# Altium PCB H7.PcbDoc (part 1 of 3)
Units mil, origin at the board's own origin, x right, y up, seen from the top; angles counter-clockwise.
Board outline 6496.06 x 3937.01 mil, 2 copper layers (Top Layer, Bottom Layer); 118 components, 150 nets, 635 pads, 5958 vias.
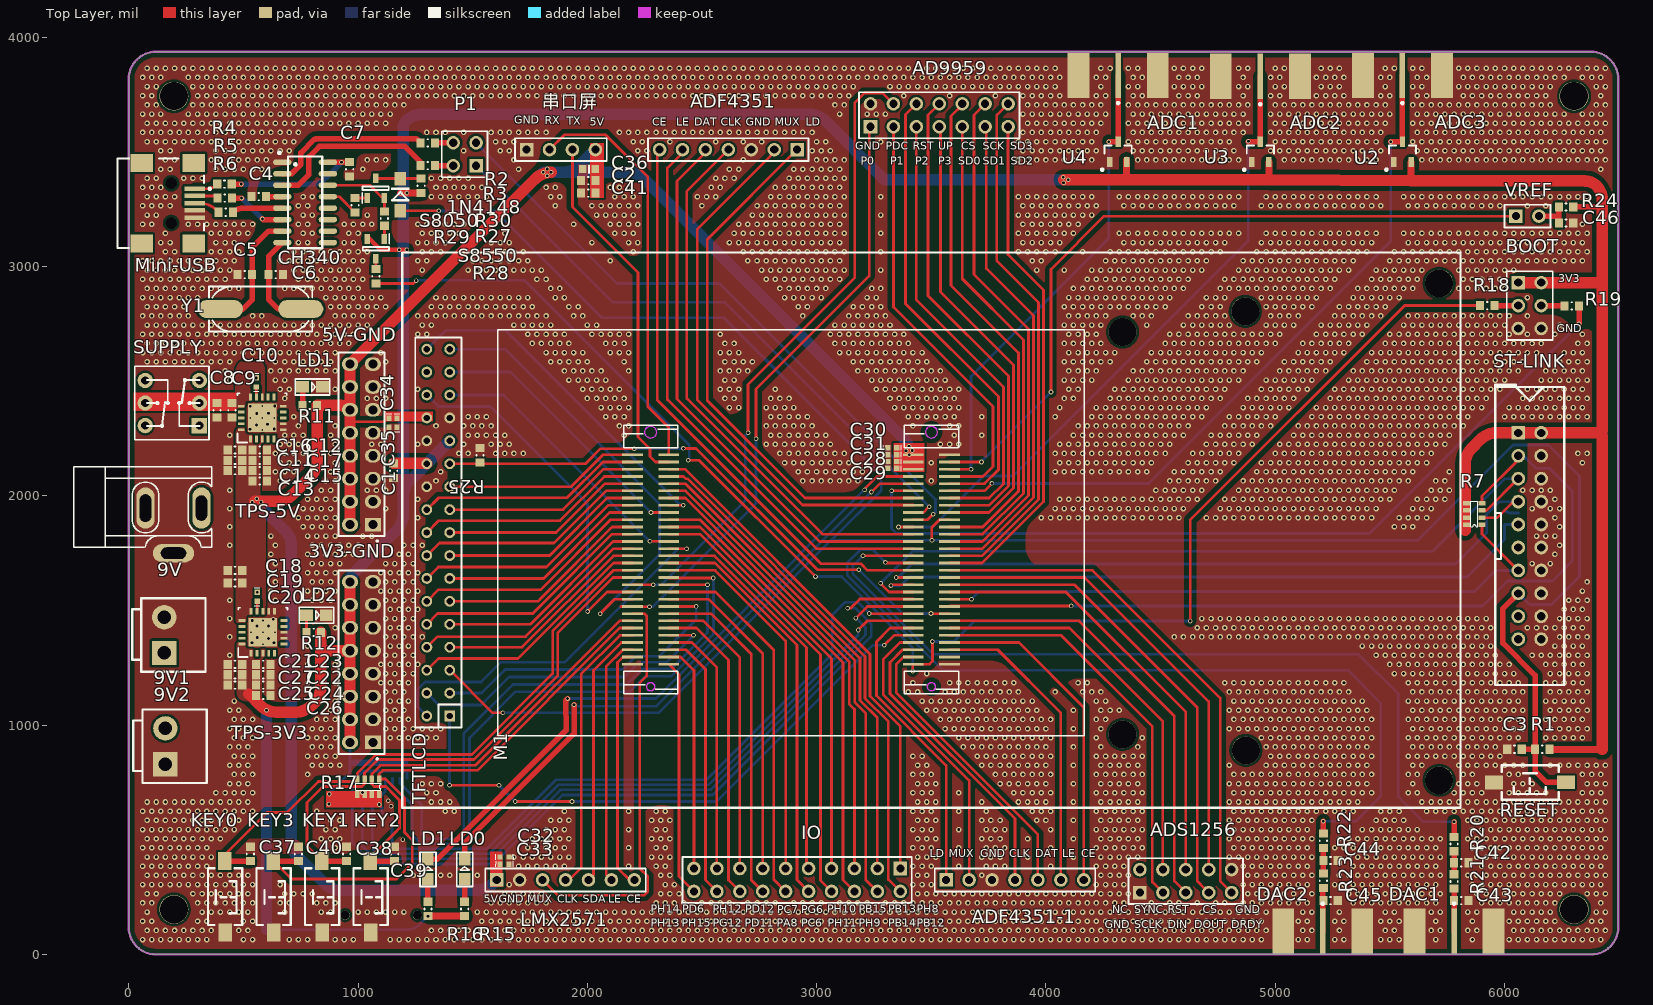
[diagram p0: Top Layer view]
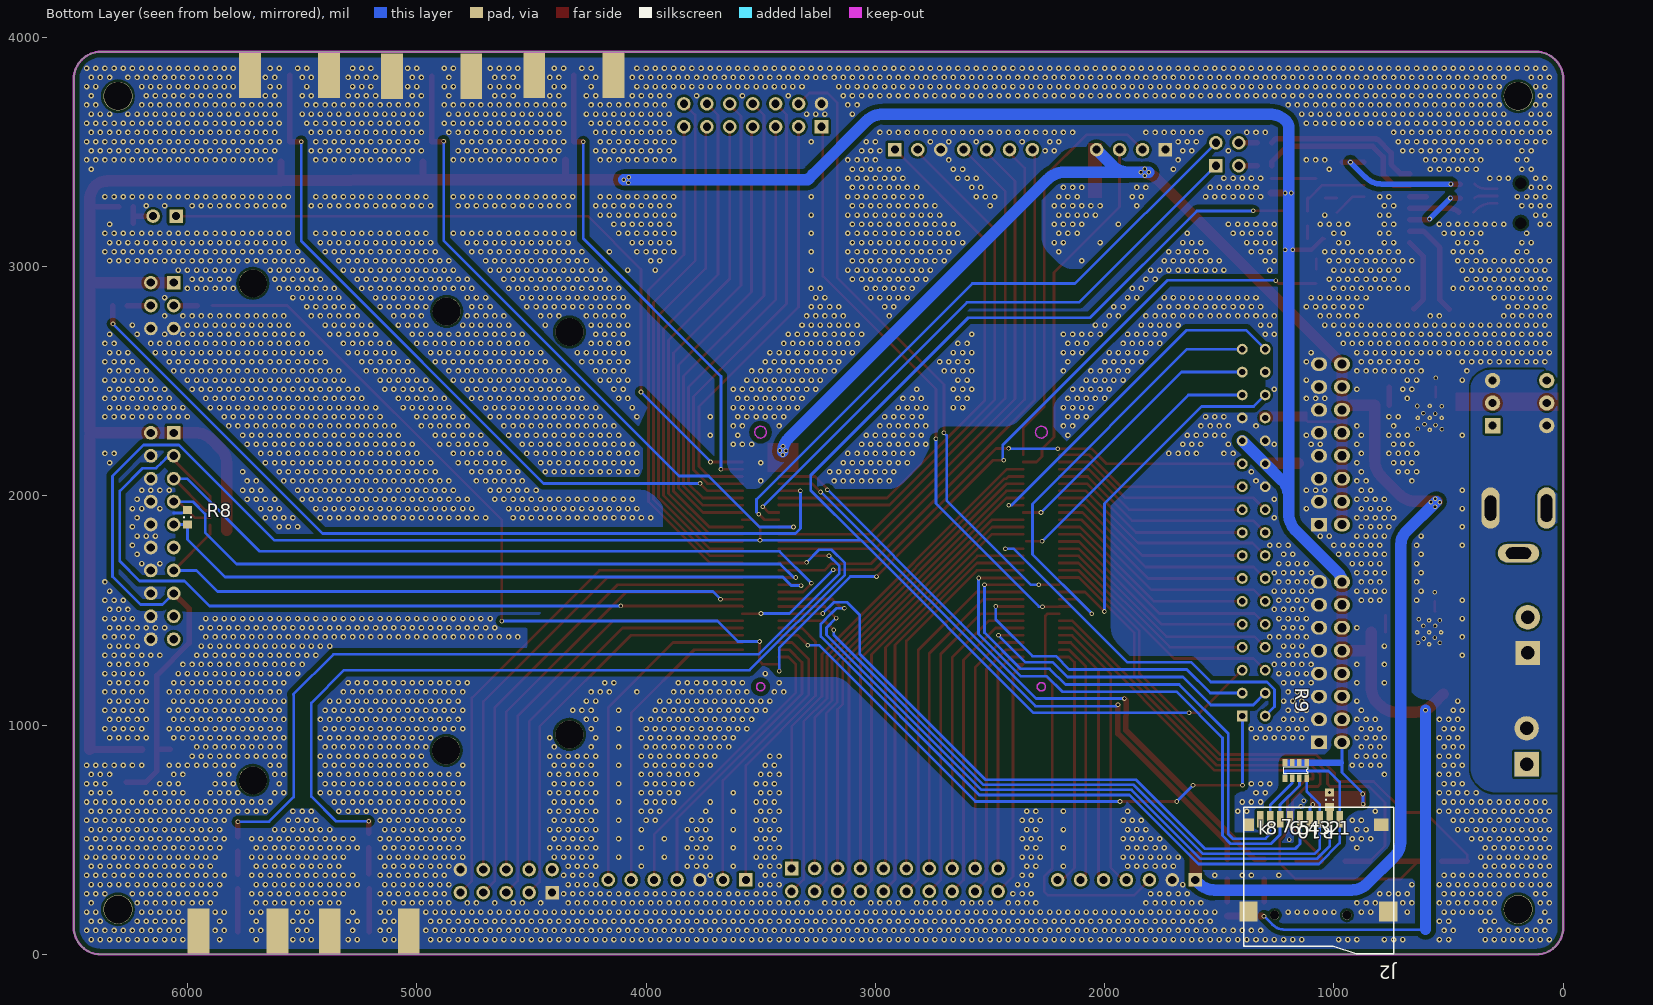
[diagram p1: Bottom Layer view, seen from below]

## Layer stack, top to bottom
Top Solder: solder mask 0.4, Solder Resist, Dk 3.5
Top Layer: signal copper 1.4
Dielectric 1: dielectric 12.6, FR-4, Dk 4.8
Bottom Layer: signal copper 1.4
Bottom Solder: solder mask 0.4, Solder Resist, Dk 3.5

## Board outline
0,118.11 0,3818.9 cw(c118.11,3818.9) 118.11,3937.01 6377.95,3937.01 cw(c6377.95,3818.9) 6496.06,3818.9 6496.06,118.11 cw(c6377.95,118.11) 6377.95,0 118.11,0 cw(c118.11,118.11)

## Design rules (kind name [scope] priority, off if disabled: settings)
Clearance [All] p1: gap=10 ignorepadtopadclearanceinfootprint=FALSE except(0: Arc-Text Arc-Hole Track-Text Track-Hole SMDPad-Text SMDPad-Hole THPad-Text THPad-Hole Via-Text Via-Hole Fill-Text Fill-Hole Poly-Text Poly-Hole Region-Text Region-Hole Text-Text Text-Hole; 20: Arc-Fill Arc-Poly Arc-Region Track-Fill Track-Poly Track-Region)
PlaneConnect [All] p1: planeconnectstyle=Direct reliefexpansion=20 reliefentries=4 reliefconductorwidth=10 reliefairgap=10
PolygonConnect [All] p1: connectstyle=Direct reliefconductorwidth=10 reliefentries=4 polygonreliefangle="90 Angle" airgapwidth=10
RoutingVias [All] p1: holewidth=28 width=50 viastyle="Through Hole" minholewidth=28 minwidth=50 maxholewidth=28 maxwidth=50
SilkToSolderMaskClearance [IsPad] p1: minsilkscreentomaskgap=0 clearancetoexposedcopper=TRUE
SolderMaskExpansion [All] p1: expansion=4
Width [All] p1: maxlimit=100 minlimit=10 preferedwidth=12
28 further rules are at their usual default settings.

## Components (designator, comment, footprint, x,y, rotation, side; value= is the part's Value field where it differs from the comment)
1N4148 "BAT60JFILM" DIODE_SOP 1184,3244 r90 top
3V3-GND "Header 8X2_Female" HDR_8x2_2R54_V_F 1065,925 r90 top
5V-GND "Header 8X2_Female" HDR_8x2_2R54_V_F 1065,1875 r90 top
9V "POWER" DC10B -102.05,1776.85 r0 top
9V1 "3.96" 3.96 155,1392.95 r90 top
9V2 "3.96" 3.96 160,907.95 r90 top
AD9959 "Header 7X2" HDR2X7 3235,3610 r0 top
ADC1 "SMA" SMA 4310,3739 r270 top locked
ADC2 "SMA" SMA 4930,3734 r270 top locked
ADC3 "SMA" SMA 5550,3739 r270 top locked
ADF4351 "Header 7" HDR1X7 2915,3510 r180 top
ADF4351-1 "Header 7" HDR1X7 3565,325 r0 top
ADS1256 "Header 5X2" HDR2X5 4410,270 r0 top
BOOT "Header 3X2" HDR2X3 6060,2930 r270 top
C1 "104" 0603C 1155,2110 r270 top
C2 "104" 0603C 2003.5,3375 r0 top
C3 "0.1uF" 0603C 6043.5,895 r0 top
C4 "Cap-S" 0603C 566.5,3305 r0 top value=100nF
C5 "Cap-S" 0603C 506.5,2965 r0 top value=22pF
C6 "Cap-S" 0603C 641.5,2965 r180 top value=22pF
C7 "Cap-S" 0603C 963,3424 r270 top value=100nF
C8 "10uf" 0603C 385,2373.5 r90 top
C9 "10uf" 0603C 450,2373.5 r90 top
C10 "1uf" 0402 556,2514.37 r270 top
C11 "10uf" 0603C 463.5,2155 r0 top
C12 "10uf" 0603C 571.5,2200 r180 top
C13 "10uf" 0603C 571.5,2065 r180 top
C14 "10uf" 0603C 463.5,2110 r0 top
C15 "10uf" 0603C 571.5,2110 r180 top
C16 "10uf" 0603C 463.5,2200 r0 top
C17 "10uf" 0603C 571.5,2155 r180 top
C18 "10uf" 0603C 463.5,1675 r0 top
C19 "10uf" 0603C 463.5,1620 r0 top
C20 "1uf" 0402 560,1579.37 r270 top
C21 "10uf" 0603C 463.5,1265 r0 top
C22 "10uf" 0603C 586.5,1220 r180 top
C23 "10uf" 0603C 586.5,1265 r180 top
C24 "10uf" 0603C 586.5,1175 r180 top
C25 "10uf" 0603C 463.5,1175 r0 top
C26 "10uf" 0603C 586.5,1130 r180 top
C27 "10uf" 0603C 463.5,1220 r0 top
C28 "0.1u" 0402 3310.63,2150 r0 top
C29 "0.1n" 0402 3310.63,2120 r0 top
C30 "0.1u" 0402 3310.63,2210 r0 top
C31 "0.1n" 0402 3310,2180 r0 top
C32 "0.1u" 0402 1658.37,425 r180 top
C33 "0.1n" 0402 1658.37,394 r180 top
C34 "0.1u" 0402 1135,2300 r90 top
C35 "0.1n" 0402 1170,2300 r90 top
C36 "Cap-S" C0603-L 2007.44,3425 r0 top value=100nF
C37 "100nF" 0603C 530,438.5 r90 top
C38 "100nF" 0603C 950,438.5 r90 top
C39 "100nF" 0603C 1160,438.5 r90 top
C40 "100nF" 0603C 740,438.5 r90 top
C41 "Cap-S" 0603C 2003.5,3320 r0 top value=10uF
C42 "SELE" 0603C 5811.5,400 r180 top
C43 "SELE" 0603C 5811.5,235 r180 top
C44 "SELE" 0603C 5241.5,410 r180 top
C45 "SELE" 0603C 5241.5,235 r180 top
C46 "0.1uF" 0603C 6268.5,3190 r180 top
CH340 "CH340G" SOP-16 770,3288.91 r0 top
DAC1 "SMA" SMA 5785,196 r90 top
DAC2 "SMA" SMA 5212.5,196 r90 top
IO "Header 10X2" HDR2X10 3365,375 r180 top (schematic designator IO1)
J2 "TF_Card" "Micro SD" 1101.06,171.61 r0 bottom locked
KEY0 "3x6x5" "TSW SMD-3*6*2.5" 420,250 r270 top
KEY1 "3x6x5" "TSW SMD-3*6*2.5" 843.33,250 r270 top (schematic designator KEY2)
KEY2 "3x6x5" "TSW SMD-3*6*2.5" 1055,250 r270 top (schematic designator KEY3)
KEY3 "3x6x5" "TSW SMD-3*6*2.5" 631.67,250 r270 top (schematic designator KEY4)
LD0 "LED" SMDLED 1464.94,327.96 r90 top (schematic designator LD3)
LD1 "LED" SMDLED 1304.94,327.96 r90 top (schematic designator LD4)
LD1 "LED" SMDLED 757.96,2475.06 r0 top
LD2 "LED" SMDLED 775,1480 r0 top
LMX2571 "Header 7" HDR1X7 1605,325 r0 top
M1 "STM32F4&F7_CB" "STM32F4&F7_CB - duplicate" 3579.39,2179.45 r180 top locked
Mini-USB "USB-B(Mini)" USB/SM0.8-6H5 -21.69,3276.61 r180 top
P1 "Header 2X2" HDR2X2 1515,3440 r90 top
R1 "10k" 0603R 6165,895 r0 top
R2 "R" 0603R 1303.5,3540 r0 top value=22
R3 "R" 0603R 1303.5,3440 r0 top value=22
R4 "R" 0603R 417.5,3360 r0 top value=10
R5 "R" 0603R 418.5,3299 r0 top value=22
R6 "R" 0603R 423.5,3237 r0 top value=22
R7 "R" R0603X4 5902,1873.5 r180 top value=10K
R8 "R" 0603R 6000,1906.5 r90 bottom value=10K
R9 "R" R0603X4 1119.01,835.93 r270 bottom value=10K
R10 "R" 0603R 1019,674.5 r270 bottom value=10K
R11 "1k" 0603R 790,2395 r180 top
R12 "1k" 0603R 806.5,1405 r180 top
R15 "510" 0603R 1465,198.5 r270 top
R16 "510" 0603R 1305,198.5 r270 top
R17 "R" R0603X4 1091.5,765 r270 top value=10K
R18 "10k" 0603R 5925,2830 r180 top
R19 "10k" 0603R 6293.5,2829 r180 top
R20 "SELE" 0603R 5780,481.5 r270 top
R21 "SELE" 0603R 5780,318.5 r270 top
R22 "SELE" 0603R 5210,496.5 r270 top
R23 "SELE" 0603R 5210,321.5 r270 top
R24 "10R" 0603R 6268.5,3260 r0 top
R25 "4.7K" 0603R 1532,2177.5 r270 top
R27 "1k" 0603R 1115,3209.5 r90 top
R28 "1K" 0603R 1078,2957.5 r270 top
R29 "1k" 0603R 987,3267.5 r90 top
R30 "10k" 0603R 1275,3352.5 r270 top
RESET "3x6x5" "TSW SMD-3*6*2.5" 6110,750 r180 top
S8050 "S8050" SOT95P240X115-3N 1077,3342 r90 top
S8550 "S8550" SOT95P240X115-3N 1077.4,3077.69 r270 top
ST-LINK "DC-20P" DC-20P 6105,1820 r270 top
SUPPLY "KET 8X8" "KFT DIP-8X8" 190,2405 r90 top
TFTLCD "TFT_LCD" db2*17-4.3 1400.24,1040.08 r90 top locked
TPS-3V3 "TPS7A4701QRGWRQ1" RGW0020A 585,1405 r90 top value=Value
TPS-5V "TPS7A4701QRGWRQ1" RGW0020A 582.17,2340 r90 top value=Value
U2 "BAT54S" SOT-23-3 5555.41,3500.92 r90 top locked
U3 "BAT54S" SOT-23-3 4935.41,3500.92 r90 top locked
U4 "BAT54S" SOT-23-3 4315.41,3500.92 r90 top locked
VREF "Header 2" HDR1X2 6050,3220 r0 top
Y1 "XTAL" XTAL-PB2-SMD 575,2815 r180 top value=12M
串口屏 "Header 4" HDR1X4 1735,3510 r0 top

## Footprints (in the part's own frame and the unit in brackets; to place one, negate y for a bottom-side part, rotate by r counter-clockwise, add the part's x,y. Pads: shape width x height; smd on the part's side, far side on the other; paste and mask are expansions set on the pad)
3.96 [mm] "接插件，25V/5A"
  rect 2.7x2.7 hole 1.5: 1(-1.98,0)
  round 2.7 hole 1.5: 2(1.982,0)
  silkscreen extent -4.06,-4.57 4.07,3.56, body extent -3.98,-4.4 4.03,4.16, height 10.5
0402 [mm]
  rect 0.6x0.6 smd: 1(0,0) 2(1,0)
  silkscreen extent -0.5,-0.3 1.5,0.3
0603C [mm] "Chip Capacitor, Body 1.6x0.8mm, Height 1.0mm, IPC Medium Density"
  rect 0.9x1 smd: 1(-0.8,0) 2(0.8,0)
  silkscreen extent -0.05,-0.4 0.05,0.4, body extent -0.87,-0.48 0.88,0.47, height 1
0603R [mm] "Chip Resistor, Body 1.6x0.8mm, IPC Medium Density"
  rect 0.9x1 smd: 1(-0.8,0) 2(0.8,0)
  silkscreen extent -0.05,-0.4 0.05,0.4, body extent -0.85,-0.47 0.85,0.47, height 0.6
C0603-L [mm] "贴片电容0603 高密度"
  rect 0.8x0.9 smd: 1(-0.7,0) 2(0.7,0)
  silkscreen extent 0,-0.39 0,0.41, body extent -0.8,-0.4 0.8,0.41, height 0.88
db2*17-4.3 [mm]
  rect 1.2x1.2 hole 0.7: 1(-0.002,0.006)
  round 1.2 hole 0.7: 2(-0.002,2.546) 3(2.538,0.006) 4(2.538,2.546) 5(5.08,0) 6(5.078,2.546) 7(7.62,0) 8(7.62,2.54) 9(10.158,0.006) 10(10.158,2.546) 11(12.698,0.006) 12(12.698,2.546) 13(15.238,0.006) 14(15.238,2.546) 15(17.778,0.006) 16(17.778,2.546) 17(20.318,0.006) 18(20.318,2.546) 19(22.858,0.006) 20(22.858,2.546) 21(25.398,0.006) 22(25.398,2.546) 23(27.938,0.006) 24(27.938,2.546) 25(30.478,0.006) 26(30.478,2.546) 27(33.018,0.006) 28(33.018,2.546) 29(35.558,0.006) 30(35.558,2.546) 31(38.098,0.006) 32(38.098,2.546) 33(40.638,0.006) 34(40.638,2.546)
  round 3.1 hole 3.1: ""(-7.125,-109.596) ""(-3.81,-88.18) ""(-2.037,-74.525) ""(42.54,-74.525) ""(44.82,-88.12) ""(47.925,-109.596)
  silkscreen extent -10.16,-111.96 51.33,5.26
DC10B [mil]
  oval 80x180 hole 50 slot 110 at 90 deg: 1(419.09,170)
  oval 80x180 hole 50 slot 120 at 90 deg: 2(175,170)
  oval 180x80 hole 50 slot 110 at 0 deg: 3(297.05,-26.85)
  silkscreen extent -138,0 465,350
DC-20P [mil]
  rect 60x60 hole 35.43: 1(-455,-45)
  round 60 hole 35.43: 2(-355,-45) 3(-255,-45) 4(-155,-45) 5(-55,-45) 6(45,-45) 7(145,-45) 8(245,-45) 9(345,-45) 10(445,-45) 11(445,55) 12(345,55) 13(245,55) 14(145,55) 15(45,55) 16(-55,55) 17(-155,55) 18(-255,55) 19(-355,55) 20(-455,55)
  silkscreen extent -665,-145 645,155, body extent -655,-146 645,156, height 236
DIODE_SOP [mm]
  rect 1.5x1.3 smd: 1(0,0) 2(3.556,0)
  silkscreen extent 1.14,-1.02 2.56,1.02
HDR1X2 [mm] "Connector; Header; 2 Position"
  rect 1.5x1.5 hole 0.9: 1(0,0)
  round 1.5 hole 0.9: 2(2.54,0)
  silkscreen extent -1.27,-1.27 3.81,1.27
HDR1X4 [mm] "Connector; Header; 4 Position"
  rect 1.5x1.5 hole 0.9: 1(0,0)
  round 1.5 hole 0.9: 2(2.54,0) 3(5.08,0) 4(7.62,0)
  silkscreen extent -1.27,-1.27 8.89,1.27
HDR1X7 [mm] "Connector; Header; 7 Position"
  rect 1.5x1.5 hole 0.9: 1(0,0)
  round 1.5 hole 0.9: 2(2.54,0) 3(5.08,0) 4(7.62,0) 5(10.16,0) 6(12.7,0) 7(15.24,0)
  silkscreen extent -1.27,-1.27 16.51,1.27
HDR2X2 [mm]
  rect 1.5x1.5 hole 0.9: 1(0,0)
  round 1.5 hole 0.9: 2(0,2.54) 3(2.54,0) 4(2.54,2.54)
  silkscreen extent -1.27,-1.27 3.81,3.81
HDR2X3 [mm] "Connector; Header; 3x2 Position"
  rect 1.5x1.5 hole 0.9: 1(0,0)
  round 1.5 hole 0.9: 2(0,2.54) 3(2.54,0) 4(2.54,2.54) 5(5.08,0) 6(5.08,2.54)
  silkscreen extent -1.27,-1.27 6.35,3.81
HDR2X5 [mm] "Connector; Header; 5x2 Position"
  rect 1.5x1.5 hole 0.9: 1(0,0)
  round 1.5 hole 0.9: 2(0,2.54) 3(2.54,0) 4(2.54,2.54) 5(5.08,0) 6(5.08,2.54) 7(7.62,0) 8(7.62,2.54) 9(10.16,0) 10(10.16,2.54)
  silkscreen extent -1.27,-1.27 11.43,3.81
HDR2X7 [mm] "Connector; Header; 7x2 Position"
  rect 1.5x1.5 hole 0.9: 1(0,0)
  round 1.5 hole 0.9: 2(0,2.54) 3(2.54,0) 4(2.54,2.54) 5(5.08,0) 6(5.08,2.54) 7(7.62,0) 8(7.62,2.54) 9(10.16,0) 10(10.16,2.54) 11(12.7,0) 12(12.7,2.54) 13(15.24,0) 14(15.24,2.54)
  silkscreen extent -1.27,-1.27 16.51,3.81
HDR2X10 [mm] "Connector; Header; 10x2 Position"
  rect 1.5x1.5 hole 0.9: 1(0,0)
  round 1.5 hole 0.9: 2(0,2.54) 3(2.54,0) 4(2.54,2.54) 5(5.08,0) 6(5.08,2.54) 7(7.62,0) 8(7.62,2.54) 9(10.16,0) 10(10.16,2.54) 11(12.7,0) 12(12.7,2.54) 13(15.24,0) 14(15.24,2.54) 15(17.78,0) 16(17.78,2.54) 17(20.32,0) 18(20.32,2.54) 19(22.86,0) 20(22.86,2.54)
  silkscreen extent -1.27,-1.27 24.13,3.81
HDR_8x2_2R54_V_F [mm] "Female Header, Pitch 2.54mm, 2x8 Position, Mated Height 6mm, Tail Length 3mm"
  rect 1.5x1.8 hole 1.02: 1(0,0)
  oval 1.5x1.8 hole 1.02: 2(0,2.54) 3(2.54,0) 4(2.54,2.54) 5(5.08,0) 6(5.08,2.54) 7(7.62,0) 8(7.62,2.54) 9(10.16,0) 10(10.16,2.54) 11(12.7,0) 12(12.7,2.54) 13(15.24,0) 14(15.24,2.54) 15(17.78,0) 16(17.78,2.54)
  silkscreen extent -1.89,-1.27 19.05,3.81, body extent -1.27,-1.27 19.05,3.81, height 8.64
"KFT DIP-8X8" [mm] "自锁开关，规格：8*8mm"
  rect 1.7x1.7 hole 0.9: 1(-2.5,-3)
  round 1.7 hole 0.9: 2(0,-3) 3(2.5,-3) 4(2.5,3) 5(0,3) 6(-2.5,3)
  silkscreen extent -4.06,-4.06 4.06,4.15, body extent -3.95,-3.95 4.05,4.05, height 13.1
"Micro SD" [mm]
  round 1 hole 1 unplated: 0(-4,0) 0(4,0)
  rect 0.7x1.8 smd: 1(-3.2,-10.627) 2(-2.1,-10.627) 3(-1,-10.627) 4(0.1,-10.627) 5(1.2,-10.627) 6(2.3,-10.627) 7(3.4,-10.627) 8(4.5,-10.627) 9(5.6,-10.627)
  rect 2.032x2.2 smd: 10(-8.6,-0.4) 10(6.9,-0.4)
  rect 1.6x1.4 smd: 10(-7.8,-10)
  rect 1.2x1.4 smd: 10(6.9,-10)
  silkscreen extent -9.2,-11.94 7.4,4.28, body extent -8.95,-11.25 7.05,4, height 2
R0603X4 [mm] "排阻 4 0603"
  rect 0.8x0.5 smd: 1(0,0) 2(0,-0.8) 3(0,-1.6) 4(0,-2.4) 5(1.7,-2.4) 6(1.7,-1.6) 7(1.7,-0.8) 8(1.7,0)
  silkscreen extent 0.46,-2.6 1.23,0.2, body extent 0.13,-2.79 1.52,0.38, height 0.8
RGW0020A [mm]
  rect 0.75x0.31 smd paste+0 mask+0: 1(-2.325,1.3) 2(-2.325,0.65) 3(-2.325,0) 4(-2.325,-0.65) 5(-2.325,-1.3) 11(2.325,-1.3) 12(2.325,-0.65) 13(2.325,0) 14(2.325,0.65) 15(2.325,1.3)
  rect 0.31x0.75 smd paste+0 mask+0: 6(-1.3,-2.325) 7(-0.65,-2.325) 8(0,-2.325) 9(0.65,-2.325) 10(1.3,-2.325) 16(1.3,2.325) 17(0.65,2.325) 18(0,2.325) 19(-0.65,2.325) 20(-1.3,2.325)
  round 0.5 hole 0.203 mask+0: 21(-1.325,0) 21(0,1.325) 21(0,0) 21(0,-1.325) 21(1.325,0)
  rect 3.15x3.15 smd paste-1.562 mask+0: 21(0,0)
  silkscreen extent -2.73,-2.73 2.73,2.73, body extent 0,0 0.25,0.25, height 0.25
SMA [mil]
  rect 200x24 smd: 1(-96,5)
  rect 200x95 smd: 2(-96,177.5) 2(-96,-167.5)
  rect 200x95 smd far side: 2(-96,177.5) 2(-96,177.5) 2(-96,-167.5)
  silkscreen extent 21,0 31,10, body extent -571,-183 -9,192, height 171
SMDLED [mm]
  rect 1.4x1.27 smd: 1(0.001,-0.002) 2(2.211,-0.002)
  silkscreen extent -0.8,-0.89 3.01,0.89
SOP-16 [mil]
  oval 80x24 smd: 1(-100,166.09) 2(-100,116.09) 3(-100,66.09) 4(-100,16.09) 5(-100,-33.91) 6(-100,-83.91) 7(-100,-133.91) 8(-100,-183.91) 9(98.5,-183.91) 10(98.5,-133.91) 11(98.5,-83.91) 12(98.5,-33.91) 13(98.5,16.09) 14(98.5,66.09) 15(98.5,116.09) 16(98.5,166.09)
  silkscreen extent -118,-209 74,212, body extent -117,-202 111,184, height 69
SOT95P240X115-3N [mm]
  rect 1.1x0.6 smd: 1(-1.1,0.95) 2(-1.1,-0.95) 3(1.1,0)
  silkscreen extent -1.65,-1.45 0.2,1.5, body extent -1.2,-1.45 1.2,1.45, height 1.15
SOT-23-3 [mm]
  rect 1.15x0.6 smd: 1(-1.13,0.96) 2(1.12,0.01) 3(-1.13,-0.94)
  silkscreen extent -2.11,-1.49 0.69,1.91, body extent -1.4,-1.45 1.4,1.45, height 1.2
"STM32F4&F7_CB - duplicate" [mm]
  rect 2.3x0.3 smd: J1_1(0,0) J1_2(0,0.8) J1_3(0,1.6) J1_4(0,2.4) J1_5(0,3.2) J1_6(0,4) J1_7(0,4.8) J1_8(0,5.6) J1_9(0,6.4) J1_10(0,7.2) J1_11(0,8) J1_12(0,8.8) J1_13(0,9.6) J1_14(0,10.4) J1_15(0,11.2) J1_16(0,12) J1_17(0,12.8) J1_18(0,13.6) J1_19(0,14.4) J1_20(0,15.2) J1_21(0,16) J1_22(0,16.8) J1_23(0,17.6) J1_24(0,18.4) J1_25(0,19.2) J1_26(0,20) J1_27(0,20.8) J1_28(0,21.6) J1_29(0,22.4) J1_30(0,23.2) J1_31(4,23.2) J1_32(4,22.4) J1_33(4,21.6) J1_34(4,20.8) J1_35(4,20) J1_36(4,19.2) J1_37(4,18.4) J1_38(4,17.6) J1_39(4,16.8) J1_40(4,16) J1_41(4,15.2) J1_42(4,14.4) J1_43(4,13.6) J1_44(4,12.8) J1_45(4,12) J1_46(4,11.2) J1_47(4,10.4) J1_48(4,9.6) J1_49(4,8.8) J1_50(4,8) J1_51(4,7.2) J1_52(4,6.4) J1_53(4,5.6) J1_54(4,4.8) J1_55(4,4) J1_56(4,3.2) J1_57(4,2.4) J1_58(4,1.6) J1_59(4,0.8) J1_60(4,0) J2_1(31.1,0.001) J2_2(31.1,0.801) J2_3(31.1,1.601) J2_4(31.1,2.401) J2_5(31.1,3.201) J2_6(31.1,4.001) J2_7(31.1,4.801) J2_8(31.1,5.601) J2_9(31.1,6.401) J2_10(31.1,7.201) J2_11(31.1,8.001) J2_12(31.1,8.801) J2_13(31.1,9.601) J2_14(31.1,10.401) J2_15(31.1,11.201) J2_16(31.1,12.001) J2_17(31.1,12.801) J2_18(31.1,13.601) J2_19(31.1,14.401) J2_20(31.1,15.201) J2_21(31.1,16.001) J2_22(31.1,16.801) J2_23(31.1,17.601) J2_24(31.1,18.401) J2_25(31.1,19.201) J2_26(31.1,20.001) J2_27(31.1,20.801) J2_28(31.1,21.601) J2_29(31.1,22.401) J2_30(31.1,23.201) J2_31(35.1,23.201) J2_32(35.1,22.401) J2_33(35.1,21.601) J2_34(35.1,20.801) J2_35(35.1,20.001) J2_36(35.1,19.201) J2_37(35.1,18.401) J2_38(35.1,17.601) J2_39(35.1,16.801) J2_40(35.1,16.001) J2_41(35.1,15.201) J2_42(35.1,14.401) J2_43(35.1,13.601) J2_44(35.1,12.801) J2_45(35.1,12.001) J2_46(35.1,11.201) J2_47(35.1,10.401) J2_48(35.1,9.601) J2_49(35.1,8.801) J2_50(35.1,8.001) J2_51(35.1,7.201) J2_52(35.1,6.401) J2_53(35.1,5.601) J2_54(35.1,4.801) J2_55(35.1,4.001) J2_56(35.1,3.201) J2_57(35.1,2.401) J2_58(35.1,1.601) J2_59(35.1,0.801) J2_60(35.1,0.001)
  Keep-Out Layer circle w0.152: c2,25.7 r0.45
  Keep-Out Layer circle w0.152: c2,-2.5 r0.65
  Keep-Out Layer circle w0.152: c33.1,-2.499 r0.65
  Keep-Out Layer circle w0.152: c33.1,25.701 r0.45
  silkscreen extent -14.95,-13.87 50.05,31.13
"TSW SMD-3*6*2.5" [mm] "3*6*2.5mm"
  rect 2x1.5 smd: 1(-3.996,-0.02) 2(3.937,0)
  silkscreen extent -3.21,-1.9 3.09,1.9, body extent -4,-1.88 4,1.62, height 2.59
USB/SM0.8-6H5 [mm]
  rect 2.3x0.5 smd: 1(-7.85,-1.6) 2(-7.85,-0.8) 3(-7.85,0) 4(-7.85,0.8) 5(-7.85,1.6)
  rect 2.5x2 smd: 6(-7.75,4.45) 7(-1.996,4.45) 8(-7.75,-4.45) 9(-1.996,-4.45)
  round 0.6 hole 1.27 unplated: MH1(-5.25,2.2) MH2(-5.25,-2.2)
  silkscreen extent -9.68,-4.95 0.7,4.95
XTAL-PB2-SMD [mm]
  oval 5x2 smd: 1(-4.45,-0.004) 2(4.45,0.004)
  silkscreen extent -5.72,-2.5 5.7,2.5, body extent -6.7,-2.44 6.7,2.46, height 4

## Part data
1N4148: library part Diode, "Default Diode", Code - JEDEC=DO-214-AB, ECCN_US/EU=EAR99/NEC, Ordered by=STM, Published=8-Jun-2000, Publisher="Altium Limited", Revision="July-2002: Re-released for DXP Platform."
3V3-GND 5V-GND: "Header, 8-Pin, Dual row,female", LatestRevisionDate=17-Jul-2002, LatestRevisionNote="Re-released for DXP Platform.", Publisher="Altium Limited"
9V: library part POW
AD9959: "Header, 7-Pin, Dual row", LatestRevisionDate=17-Jul-2002, LatestRevisionNote="Re-released for DXP Platform.", Publisher="Altium Limited"
ADC1 ADC2 ADC3 DAC1 DAC2: "SMA Connector"
ADF4351 ADF4351-1 LMX2571: "Header, 7-Pin", LatestRevisionDate=17-Jul-2002, LatestRevisionNote="Re-released for DXP Platform.", Publisher="Altium Limited"
ADS1256: "Header, 5-Pin, Dual row", LatestRevisionDate=17-Jul-2002, LatestRevisionNote="Re-released for DXP Platform.", Publisher="Altium Limited"
BOOT: "Header, 3-Pin, Dual row", LatestRevisionDate=17-Jul-2002, LatestRevisionNote="Re-released for DXP Platform.", Publisher="Altium Limited"
C1 C2: library part C, "无极性贴片电容", BOM名称=无极性贴片电容, 学习资源=www.ooocke.com, 版权归属=源创客
C3 C8 C9 C10 C11 C12 C13 C14 C15 C16 C17 C18 C19 C20 C21 C22 C23 C24 C25 C26 C27 C28 C29 C30 C31 C32 C33 C34 C35 C37 C38 C39 C40 C42 C43 C44 C45 C46: library part C, "Capacitor"
C4 C5 C6 C7 C36 C41: "贴片瓷片电容"
CH340: "SOP16"
IO: "Header, 10-Pin, Dual row", LatestRevisionDate=17-Jul-2002, LatestRevisionNote="Re-released for DXP Platform.", Publisher="Altium Limited"
J2: "TF卡座", BOM名称=TF卡座, 学习资源=www.ooocke.com, 版权归属=源创客
KEY0 KEY1 KEY2 KEY3 RESET: library part "TSW 3x6", "3x6轻触开关", BOM名称=3x6轻触开关, 学习资源=www.ooocke.com, 版权归属=源创客
LD0 LD1 LD1 LD2: "Typical RED, GREEN, YELLOW, AMBER GaAs LED", PackageDocument=Feb-2002, LatestRevisionDate=17-Jul-2002, LatestRevisionNote="Re-released for DXP Platform.", PackageReference=3.2X1.6X1.1, Published=8-Jun-2000, Publisher="Altium Limited"
M1: "F429/746 Core Board"
Mini-USB: library part USB5
P1: "Header, 2-Pin, Dual row", LatestRevisionDate=17-Jul-2002, LatestRevisionNote="Re-released for DXP Platform.", Publisher="Altium Limited"
R1 R11 R12 R15 R16 R18 R19 R20 R21 R22 R23 R24 R25 R27 R28 R29 R30: library part Resistor, "Resistor"
R2 R3 R4 R5 R6 R8 R10: library part Res, "贴片电阻"
R7 R9 R17: library part Res-4R, "排阻 4"
S8050: "Transistor", Manufacturer_Name="Yenji Elec", Datasheet Link=https://datasheet.lcsc.com/szlcsc/Yenji-Elec-S8050_C139514.pdf, Height=1.15mm, Manufacturer_Part_Number=S8050
S8550: "Transistor BJT PNP", Manufacturer_Name="Changjiang Electronics Tech (CJ)", Datasheet Link=https://datasheet.lcsc.com/szlcsc/Changjiang-Electronics-Tech-CJ-S8550_C105432.pdf, Height=1.15mm, Manufacturer_Part_Number=S8550
SUPPLY: "8*8自锁开关", BOM名称=8*8自锁开关, 学习资源=www.ooocke.com, 版权归属=源创客
TPS-3V3 TPS-5V: "No Description Available", Manufacturer="Texas Instruments", Copyright="Copyright (C) 2018 Accelerated Designs. All rights reserved", PartNumber=TPS7A4701QRGWRQ1, RefDes=RefDes, Type=DEV
VREF: "Header, 2-Pin", LatestRevisionDate=17-Jul-2002, LatestRevisionNote="Re-released for DXP Platform.", Publisher="Altium Limited"
Y1: "晶振"
串口屏: "Header, 4-Pin", LatestRevisionDate=17-Jul-2002, LatestRevisionNote="Re-released for DXP Platform.", Publisher="Altium Limited"

## Free pads (board coordinates)
  round 125.98 hole 122.05: 4(196.85,196.85) 4(196.85,3743.15) 4(6303.15,196.85) 4(6303.15,3743.15)

## Via types
v1: diameter 24, hole 12, Top Layer to Bottom Layer, tented both sides, 5847 vias
v2: diameter 20, hole 12, Top Layer to Bottom Layer, tented both sides, 111 vias

## Nets (pads, with @x,y where several pads share a name; then routed paths per layer and width w, separated by ;. In a path a pad name is that pad's centre, name@x,y a point inside that pad or via, vN(x,y) a via of type N, cw(c..) or ccw(c..) an arc to the next point about the centre after c; other vN are vias at no path point)
1256_CS: ADS1256.8 M1.J1_18 | length 2087.7
  Top Layer w11.8: M1.J1_18@3579.39,1644.02 4168.98,1644.02 4710,1103 ADS1256.8@4710,370
1256_DIN: ADS1256.5 M1.J1_24 | length 1942.6
  Top Layer w11.8: M1.J1_24@3579.39,1455.04 4143.96,1455.04 4560,1039 4560,320 ADS1256.5@4610,270
1256_DOUT: ADS1256.7 M1.J1_19 | length 2105.4
  Top Layer w11.8: M1.J1_19@3579.39,1612.52 4125.48,1612.52 4660,1078 4660,320 ADS1256.7@4692.12,287.88
1256_DRDY: ADS1256.9 M1.J1_17 | length 2280.8
  Top Layer w11.8: M1.J1_17@3579.39,1675.51 4203.49,1675.51 4760,1119 4760,320 ADS1256.9@4810,270
1256_RST: ADS1256.6 M1.J1_20 | length 1935
  Top Layer w11.8: M1.J1_20@3579.39,1581.02 4086.6,1581.02 4610,1057.63 ADS1256.6@4610,370
1256_SCLK: ADS1256.3 M1.J1_26 | length 1793.1
  Top Layer w11.8: M1.J1_26@3579.39,1392.05 4066.95,1392.05 4464,995 4464,316 ADS1256.3@4510,270
1256_SYNC: ADS1256.4 M1.J1_25 | length 1745.4
  Top Layer w11.8: M1.J1_25@3579.39,1423.54 4102.46,1423.54 4510,1016 ADS1256.4@4510,370
2571_CE: LMX2571.7 M1.J2_32 | length 1066.3
  Top Layer w11.8: M1.J2_32@2197.52,1297.52 2155.35,1297.52 2132,1274.17 2132,378 2185,325 LMX2571.7@2205,325
2571_CLK: LMX2571.4 M1.J2_35 | length 1229.5
  Top Layer w11.8: LMX2571.4@1905,325 1920,325 1973,378 1973,1223 2142.01,1392.01 M1.J2_35@2197.52,1392.01
2571_LE: LMX2571.6 M1.J2_33 | length 1086.1
  Top Layer w11.8: LMX2571.6@2105,325 2082,348 2082,1255.67 2155.35,1329.02 M1.J2_33@2197.52,1329.02
2571_MUX: LMX2571.3 M1.J2_38 | length 1788.1
  Top Layer w11.8: LMX2571.3@1805,325 1872,258 2247,258 2264,275 2264,340 2228,376 2228,1184 2258.7,1214.7 2258.7,1476.3 2248.5,1486.5 M1.J2_38@2197.52,1486.5
2571_SDA: LMX2571.5 M1.J2_34 | length 1144
  Top Layer w11.8: LMX2571.5@2005,325 2027,347 2027,1239 2148.51,1360.51 M1.J2_34@2197.52,1360.51
4351_CE: ADF4351.7 M1.J1_44 | length 2520.6
  Top Layer w11.8: ADF4351.7@2315,3510 2305,3500 2305,2418 3018.91,1704.09 3193.91,1704.09 3222.49,1675.51 M1.J1_44@3421.91,1675.51
4351_CE1: ADF4351-1.7 M1.J1_27 | length 1455.6
  Top Layer w11.8: M1.J1_27@3579.39,1360.55 3882.45,1360.55 4165,1078 ADF4351-1.7@4165,325
4351_CLK: ADF4351.4 M1.J1_49 | length 2393.1
  Top Layer w11.8: ADF4351.4@2615,3510 2434,3329 2434,2425 3026.01,1832.99 M1.J1_49@3421.91,1832.99
4351_CLK1: ADF4351-1.4 M1.J1_33 | length 1299.5
  Top Layer w11.8: M1.J1_33@3421.91,1329.06 3375.06,1329.06 3320,1274 3320,1137.17 3865,592.17 ADF4351-1.4@3865,325
4351_DAT: ADF4351.5 M1.J1_48 | length 2426.7
  Top Layer w11.8: ADF4351.5@2515,3510 2515,3497 2391,3373 2391,2423 3012.5,1801.5 M1.J1_48@3421.91,1801.5
4351_DAT1: ADF4351-1.5 M1.J1_32 | length 1284.3
  Top Layer w11.8: M1.J1_32@3421.91,1297.56 3379.74,1297.56 3347,1264.82 3347,1142 3965,524 ADF4351-1.5@3965,325
4351_LD: ADF4351.1 M1.J1_54 | length 2331.3
  Top Layer w11.8: ADF4351.1@2915,3510 2523,3118 2523,2416.37 2948.9,1990.47 M1.J1_54@3421.91,1990.47
4351_LD1: ADF4351-1.1 M1.J1_36 | length 1350.8
  Top Layer w11.8: M1.J1_36@3421.91,1423.54 3421.58,1423.88 3320.88,1423.88 3261,1364 3261,1129 3565,825 ADF4351-1.1@3565,325
4351_LE: ADF4351.6 M1.J1_47 | length 2459.5
  Top Layer w11.8: ADF4351.6@2415,3510 2415,3496 2349,3430 2349,2420 2999,1770 M1.J1_47@3421.91,1770
4351_LE1: ADF4351-1.6 M1.J1_28 | length 1328.5
  Top Layer w11.8: M1.J1_28@3579.39,1329.06 3789.94,1329.06 4065,1054 ADF4351-1.6@4065,325
4351_MUX: ADF4351.2 M1.J1_53 | length 2361.6
  Top Layer w11.8: ADF4351.2@2815,3510 2815,3497 2479,3161 2479,2420 2939,1960 M1.J1_53@3420.89,1960
4351_MUX1: ADF4351-1.2 M1.J1_34 | length 1279.7
  Top Layer w11.8: M1.J1_34@3421.91,1360.55 3363.55,1360.55 3290,1287 3290,1134 3665,759 ADF4351-1.2@3665,325
9959_CS: AD9959.10 M1.J1_11 | length 2192.3
  Top Layer w11.8: M1.J1_11@3579.39,1864.49 3724.49,1864.49 3880.2,2020.2 3880.2,2623.8 3586,2918 3586,3656 AD9959.10@3635,3705
9959_P0: AD9959.1 M1.J2_39 | length 2676
  Top Layer w11.8: M1.J2_39@2197.52,1517.99 2147.99,1517.99 2147,1517 v2(2271,1517) ; v2(2736,2249) 2736,2466 3229,2959 3229,3604 AD9959.1@3235,3610
  Bottom Layer w11.8: v2(2271,1517) 2286,1517 2736,1967 v2(2736,2249)
9959_P1: AD9959.3 M1.J1_4 | length 1868.6
  Top Layer w11.8: AD9959.3@3335,3610 3335,2823 3769,2389 3769,2129 3724.96,2084.96 M1.J1_4@3579.39,2084.96
9959_P2: AD9959.5 M1.J1_7 | length 1975.7
  Top Layer w11.8: AD9959.5@3435,3610 3435,2855 3814.8,2475.2 3814.8,2052.8 3752.47,1990.47 M1.J1_7@3579.39,1990.47
9959_P3: AD9959.7 M1.J1_9 | length 2030.6
  Top Layer w11.8: AD9959.7@3539.93,3610 3539.93,2889.07 3858.4,2570.6 3858.4,2034.74 3751.14,1927.48 M1.J1_9@3579.39,1927.48
9959_PDC: AD9959.4 M1.J2_42 | length 2782.2
  Top Layer w11.8: M1.J2_42@2197.52,1612.48 2198.04,1613 v2(2287,1613) ; v2(2701,2275) 2701,2486 3166,2951 3166,3714 3209,3757 3288,3757 AD9959.4@3335,3710
  Bottom Layer w11.8: v2(2287,1613) 2323,1613 2689,1979 2689,2263 v2(2701,2275)
9959_RST: AD9959.6 M1.J1_5 | length 2021.9
  Top Layer w11.8: AD9959.6@3435,3710 3388,3663 3388,2838 3793,2433 3793,2114 3732.46,2053.46 M1.J1_5@3579.39,2053.46
9959_SCK: AD9959.12 M1.J1_13 | length 2254.2
  Top Layer w11.8: M1.J1_13@3579.39,1801.5 3723.16,1801.5 3923.8,2002.14 3923.8,2728.2 3686,2966 3686,3661 AD9959.12@3735,3710
9959_SD0: AD9959.9 M1.J1_12 | length 2105.8
  Top Layer w11.8: M1.J1_12@3579.39,1832.99 3723.82,1832.99 3902,2011.17 3902,2680 3635,2947 AD9959.9@3635,3610
9959_SD1: AD9959.11 M1.J1_14 | length 2160.7
  Top Layer w11.8: M1.J1_14@3579.39,1770 3722.49,1770 3945.6,1993.11 3945.6,2786.4 3739.93,2992.07 AD9959.11@3739.93,3610
9959_SD2: AD9959.13 M1.J1_16 | length 2219.7
  Top Layer w11.8: M1.J1_16@3579.39,1707.01 3721.16,1707.01 3989.2,1975.05 3989.2,2897.8 3835,3052 AD9959.13@3835,3610
9959_SD3: AD9959.14 M1.J1_15 | length 2311.1
  Top Layer w11.8: M1.J1_15@3579.39,1738.5 3721.82,1738.5 3967.4,1984.08 3967.4,2843.6 3786,3025 3786,3661 AD9959.14@3835,3710
9959_UP: AD9959.8 M1.J1_8 | length 2124.1
  Top Layer w11.8: AD9959.8@3535,3710 3486,3661 3486,2873 3836.6,2522.4 3836.6,2043.77 3751.81,1958.98 M1.J1_8@3579.39,1958.98
+5.0USB: Mini-USB.1 R4.1 | length 104.1
  Top Layer w12: Mini-USB.1@287.36,3339.6 336.75,3339.6 ccw(c336.75,3409.25) R4.1@386,3360
ADC1: ADC1.1 M1.J1_3 U4.2 | length 2099.4
  Top Layer w11.8: M1.J1_3@3579.39,2116.46 v2(3673.54,2116.46)
  Top Layer w24: v2@4276,3545 U4.2@4315,3545 ADC1.1@4315,3835
  Bottom Layer w11.8: v2(3673.54,2116.46) 3673.54,2521.54 4274,3122 v2(4274,3544)
ADC2: ADC2.1 M1.J1_50 U3.2 | length 2879.5
  Top Layer w11.8: v2(3357,1864.49) M1.J1_50@3421.91,1864.49
  Top Layer w24: v2@4882,3545 U3.2@4935,3545 ADC2.1@4935,3830
  Bottom Layer w11.8: v2(3357,1864.49) 3504.51,1864.49 3727.02,2087 3856,2087 4883,3114 v2(4883,3547)
ADC3: ADC3.1 M1.J1_6 U2.2 | length 3146.4
  Top Layer w11.8: M1.J1_6@3579.39,2021.97 3732,2021.97 3732,2022.17 v2(3764.41,2054.59)
  Top Layer w24: v2@5503,3545 U2.2@5555,3545 ADC3.1@5555,3835
  Bottom Layer w11.8: v2@3770,2054.17 4447.17,2054.17 5504,3111 v2(5504,3545)
BOOT0: M1.J1_31 R18.2 R28.2 | length 6621
  Top Layer w11.8: M1.J1_31@3421.91,1266.06 3492.06,1266.06 3505,1279 v2(3505,1365) ; v2(4629,1454) 4629,1894 5565,2830 R18.2@5893.5,2830
  Top Layer w12: R28.2@1078,2926.01 1241.01,2926.01 v2(1254,2939) ; v2(2440,2155) 2488,2155 v2(2995,1648) ; v2(3419,1236) 3419,1263.15 M1.J1_31@3421.91,1266.06
  Bottom Layer w11.8: v2(3505,1365) 3600,1365 3689,1454 v2(4629,1454)
  Bottom Layer w12: v2@1250,2941 1725,2941 2445,2221 2445,2160 v2(2440,2155) ; v2(2995,1648) 3109.2,1648 3419,1338.2 v2(3419,1236)
BOOT1: M1.J1_55 R19.1 | length 3723.6
  Top Layer w11.8: v2(3326.97,2021.97) M1.J1_55@3421.91,2021.97
  Top Layer w24: v2(6325,2750) R19.1@6324.99,2829
  Bottom Layer w11.8: v2(3326.97,2021.97) 3326.97,1857.89 3348.76,1836.1 5411.1,1836.1 v2(6325,2750)
D+: CH340.5 R6.2 | length 219.8
  Top Layer w24: R6.2@454.99,3237 cw(c498.45,3193.54) 498.45,3255 CH340.5@670,3255
D-: CH340.6 R5.2 | length 258.9
  Top Layer w24: R5.2@449.99,3299 v2(492,3299) ; v2(583,3208) 586,3205 CH340.6@670,3205
  Bottom Layer w24: v2(492,3299) v2(583,3208)
DAC_OUT1: M1.J1_46 R20.1 | length 3719.2
  Top Layer w11.8: v2(3202.37,1739) 3216.99,1739 3216.5,1738.5 M1.J1_46@3421.91,1738.5
  Top Layer w24: R20.1@5780,512.99 v2(5780,579)
  Bottom Layer w11.8: v2(3202.37,1739) 3157.29,1693.91 3157.29,1661.71 3510,1309 5364,1309 5539,1134 5537,1132 5537,686 5644,579 v2(5780,579)
DAC_OUT2: M1.J1_45 R22.1 | length 3702.7
  Top Layer w11.8: v2(3300,1710) 3302.99,1707.01 M1.J1_45@3421.91,1707.01
  Top Layer w24: R22.1@5210,527.99 v2(5210,581)
  Bottom Layer w11.8: v2(3300,1710) 3245,1765 3191,1765 3133,1707 3133,1655.17 3548.17,1240 5317,1240 5460,1097 5460,689 5352,581 v2(5210,581)
FMC_A18: M1.J2_14 TFTLCD.2 | length 1638.7
  Top Layer w11.8: M1.J2_14@2355,1769.96 v2(2433.04,1769.96)
  Bottom Layer w11.8: TFTLCD.2@1300,1040 1259,1081 1259,1154.89 1292.11,1188 1537,1188 1624,1275 1902,1275 2396.96,1769.96 v2(2433.04,1769.96)
FMC_D0: M1.J2_45 TFTLCD.6 | length 1090.9
  Top Layer w11.8: TFTLCD.6@1300,1240 1351,1291 1697.71,1291 2113.68,1706.97 M1.J2_45@2197.52,1706.97
FMC_D1: M1.J2_46 TFTLCD.7 | length 962.3
  Top Layer w11.8: TFTLCD.7@1400.24,1340.08 1715.96,1340.08 2114.35,1738.46 M1.J2_46@2197.52,1738.46
FMC_D2: M1.J2_47 TFTLCD.8 | length 1075.3
  Top Layer w11.8: TFTLCD.8@1300.24,1340.08 1346.16,1386 1731.05,1386 2115.01,1769.96 M1.J2_47@2197.52,1769.96
FMC_D3: M1.J2_48 TFTLCD.9 | length 947.2
  Top Layer w11.8: TFTLCD.9@1400,1440 1751,1440 2112.46,1801.46 M1.J2_48@2197.52,1801.46
FMC_D4: M1.J2_49 TFTLCD.10 | length 1060.3
  Top Layer w11.8: TFTLCD.10@1300,1440 1347,1487 1761.83,1487 1803.37,1528.54 2107.78,1832.95 M1.J2_49@2197.52,1832.95
FMC_D5: M1.J2_50 TFTLCD.11 | length 931.9
  Top Layer w11.8: TFTLCD.11@1400,1540 1784,1540 1796.78,1552.78 2108.45,1864.45 M1.J2_50@2197.52,1864.45
FMC_D6: M1.J2_51 TFTLCD.12 | length 1045
  Top Layer w11.8: TFTLCD.12@1300,1540 1351,1591 1797,1591 2101.94,1895.94 M1.J2_51@2197.52,1895.94
FMC_D7: M1.J2_52 TFTLCD.13 | length 916.6
  Top Layer w11.8: TFTLCD.13@1400,1640 1810,1640 2097.44,1927.44 M1.J2_52@2197.52,1927.44
FMC_D8: M1.J2_53 TFTLCD.14 | length 1029.6
  Top Layer w11.8: TFTLCD.14@1300,1640 1350,1690 1822,1690 2090.94,1958.94 M1.J2_53@2197.52,1958.94
FMC_D9: M1.J2_54 TFTLCD.15 | length 901.3
  Top Layer w11.8: TFTLCD.15@1400,1740 1836,1740 2086.43,1990.43 M1.J2_54@2197.52,1990.43
FMC_D10: M1.J2_55 TFTLCD.16 | length 1014.3
  Top Layer w11.8: TFTLCD.16@1300,1740 1355,1795 1855,1795 2081.93,2021.93 M1.J2_55@2197.52,2021.93
FMC_D11: M1.J2_56 TFTLCD.17 | length 885.9
  Top Layer w11.8: TFTLCD.17@1400,1840 1864,1840 2077.43,2053.43 M1.J2_56@2197.52,2053.43
FMC_D12: M1.J2_57 TFTLCD.18 | length 999
  Top Layer w11.8: TFTLCD.18@1300,1840 1352,1892 1881,1892 2073.92,2084.92 M1.J2_57@2197.52,2084.92
FMC_D13: M1.J2_58 TFTLCD.19 | length 870.6
  Top Layer w11.8: TFTLCD.19@1400,1940 1894,1940 2070.42,2116.42 M1.J2_58@2197.52,2116.42
FMC_D14: M1.J2_59 TFTLCD.20 | length 983.6
  Top Layer w11.8: TFTLCD.20@1300,1940 1352,1992 1912,1992 2067.91,2147.91 M1.J2_59@2197.52,2147.91
FMC_D15: M1.J2_60 TFTLCD.21 | length 855.3
  Top Layer w11.8: TFTLCD.21@1400,2040 1928,2040 2067.41,2179.41 M1.J2_60@2197.52,2179.41
FMC_NE1: M1.J1_35 TFTLCD.1 | length 2655.1
  Top Layer w11.8: v2(3295,1349.05) 3338,1392.05 M1.J1_35@3421.91,1392.05
  Top Layer w12: v2(1399,738) v2(1614.6,738) ; v2(1685.6,667) v2(1933,667)
  Bottom Layer w11.8: v2(1933,667) 2564,667 3246.05,1349.05 v2(3295,1349.05)
  Bottom Layer w12: v2(1399,738) 1399,1039 TFTLCD.1@1400,1040 ; v2(1614.6,738) v2(1685.6,667)
FMC_NOE: M1.J2_26 TFTLCD.4 | length 1418.4
  Top Layer w11.8: M1.J2_26@2355,1392.01 v2(2462.99,1392.01)
  Bottom Layer w11.8: TFTLCD.4@1300,1140 1352,1088 1537,1088 1659,1210 2162,1210 2226,1274 2344.98,1274 v2(2462.99,1392.01)
FMC_NWE: M1.J2_22 TFTLCD.3 | length 1385
  Top Layer w11.8: M1.J2_22@2355,1517.99 v2(2475,1517.99)
  Bottom Layer w11.8: TFTLCD.3@1400,1140 1539,1140 1642,1243 2155,1243 2213,1301 2315,1301 2475,1461 v2(2475,1517.99)
GND: 3V3-GND.1 3V3-GND.3 3V3-GND.5 3V3-GND.7 3V3-GND.9 3V3-GND.11 3V3-GND.13 3V3-GND.15 5V-GND.1 5V-GND.3 5V-GND.5 5V-GND.7 5V-GND.9 5V-GND.11 5V-GND.13 5V-GND.15 9V1.2 9V2.1 9V.2 9V.3 AD9959.2 ADC1.2 ADC2.2 ADC3.2 ADF4351-1.3 ADF4351.3 ADS1256.1 ADS1256.10 BOOT.5 BOOT.6 C1.2 C2.1 C3.1 C4.1 C5.1 C6.1 C7.2 C8.1 C9.1 C10.1 C11.1 C12.1 C13.1 C14.1 C15.1 C16.1 C17.1 C18.1 C19.1 C20.1 C21.1 C22.1 C23.1 C24.1 C25.1 C26.1 C27.1 C28.1 C29.1 C30.1 C31.1 C32.1 C33.1 C34.1 C35.1 C36.1 C37.2 C38.2 C39.2 C40.2 C41.1 C42.1 C43.1 C44.1 C45.1 C46.1 CH340.1 DAC1.2 DAC2.2 J2.6 J2.10 KEY0.2 KEY1.2 KEY2.2 KEY3.2 LD1.2@845,2475 LD2.2 LMX2571.2 M1.J1_1 M1.J1_30 M1.J2_31 Mini-USB.4 Mini-USB.5 R8.2 R25.1 RESET.2 ST-LINK.11 ST-LINK.12 ST-LINK.13 ST-LINK.14 ST-LINK.15 ST-LINK.16 ST-LINK.17 ST-LINK.18 ST-LINK.19 TFTLCD.22 TFTLCD.26 TFTLCD.27 TPS-3V3.7 TPS-3V3.8 TPS-3V3.11 TPS-3V3.12 TPS-3V3.21 TPS-5V.6 TPS-5V.7 TPS-5V.10 TPS-5V.21 U2.1 U3.1 U4.1 串口屏.1 | length 64.5
  Bottom Layer w12: R8.2@6000,1937.99 ccw(c6031.37,1969.36) 6031.37,1925 6061,1925